# Allegro board trx_layout.brd (continued)
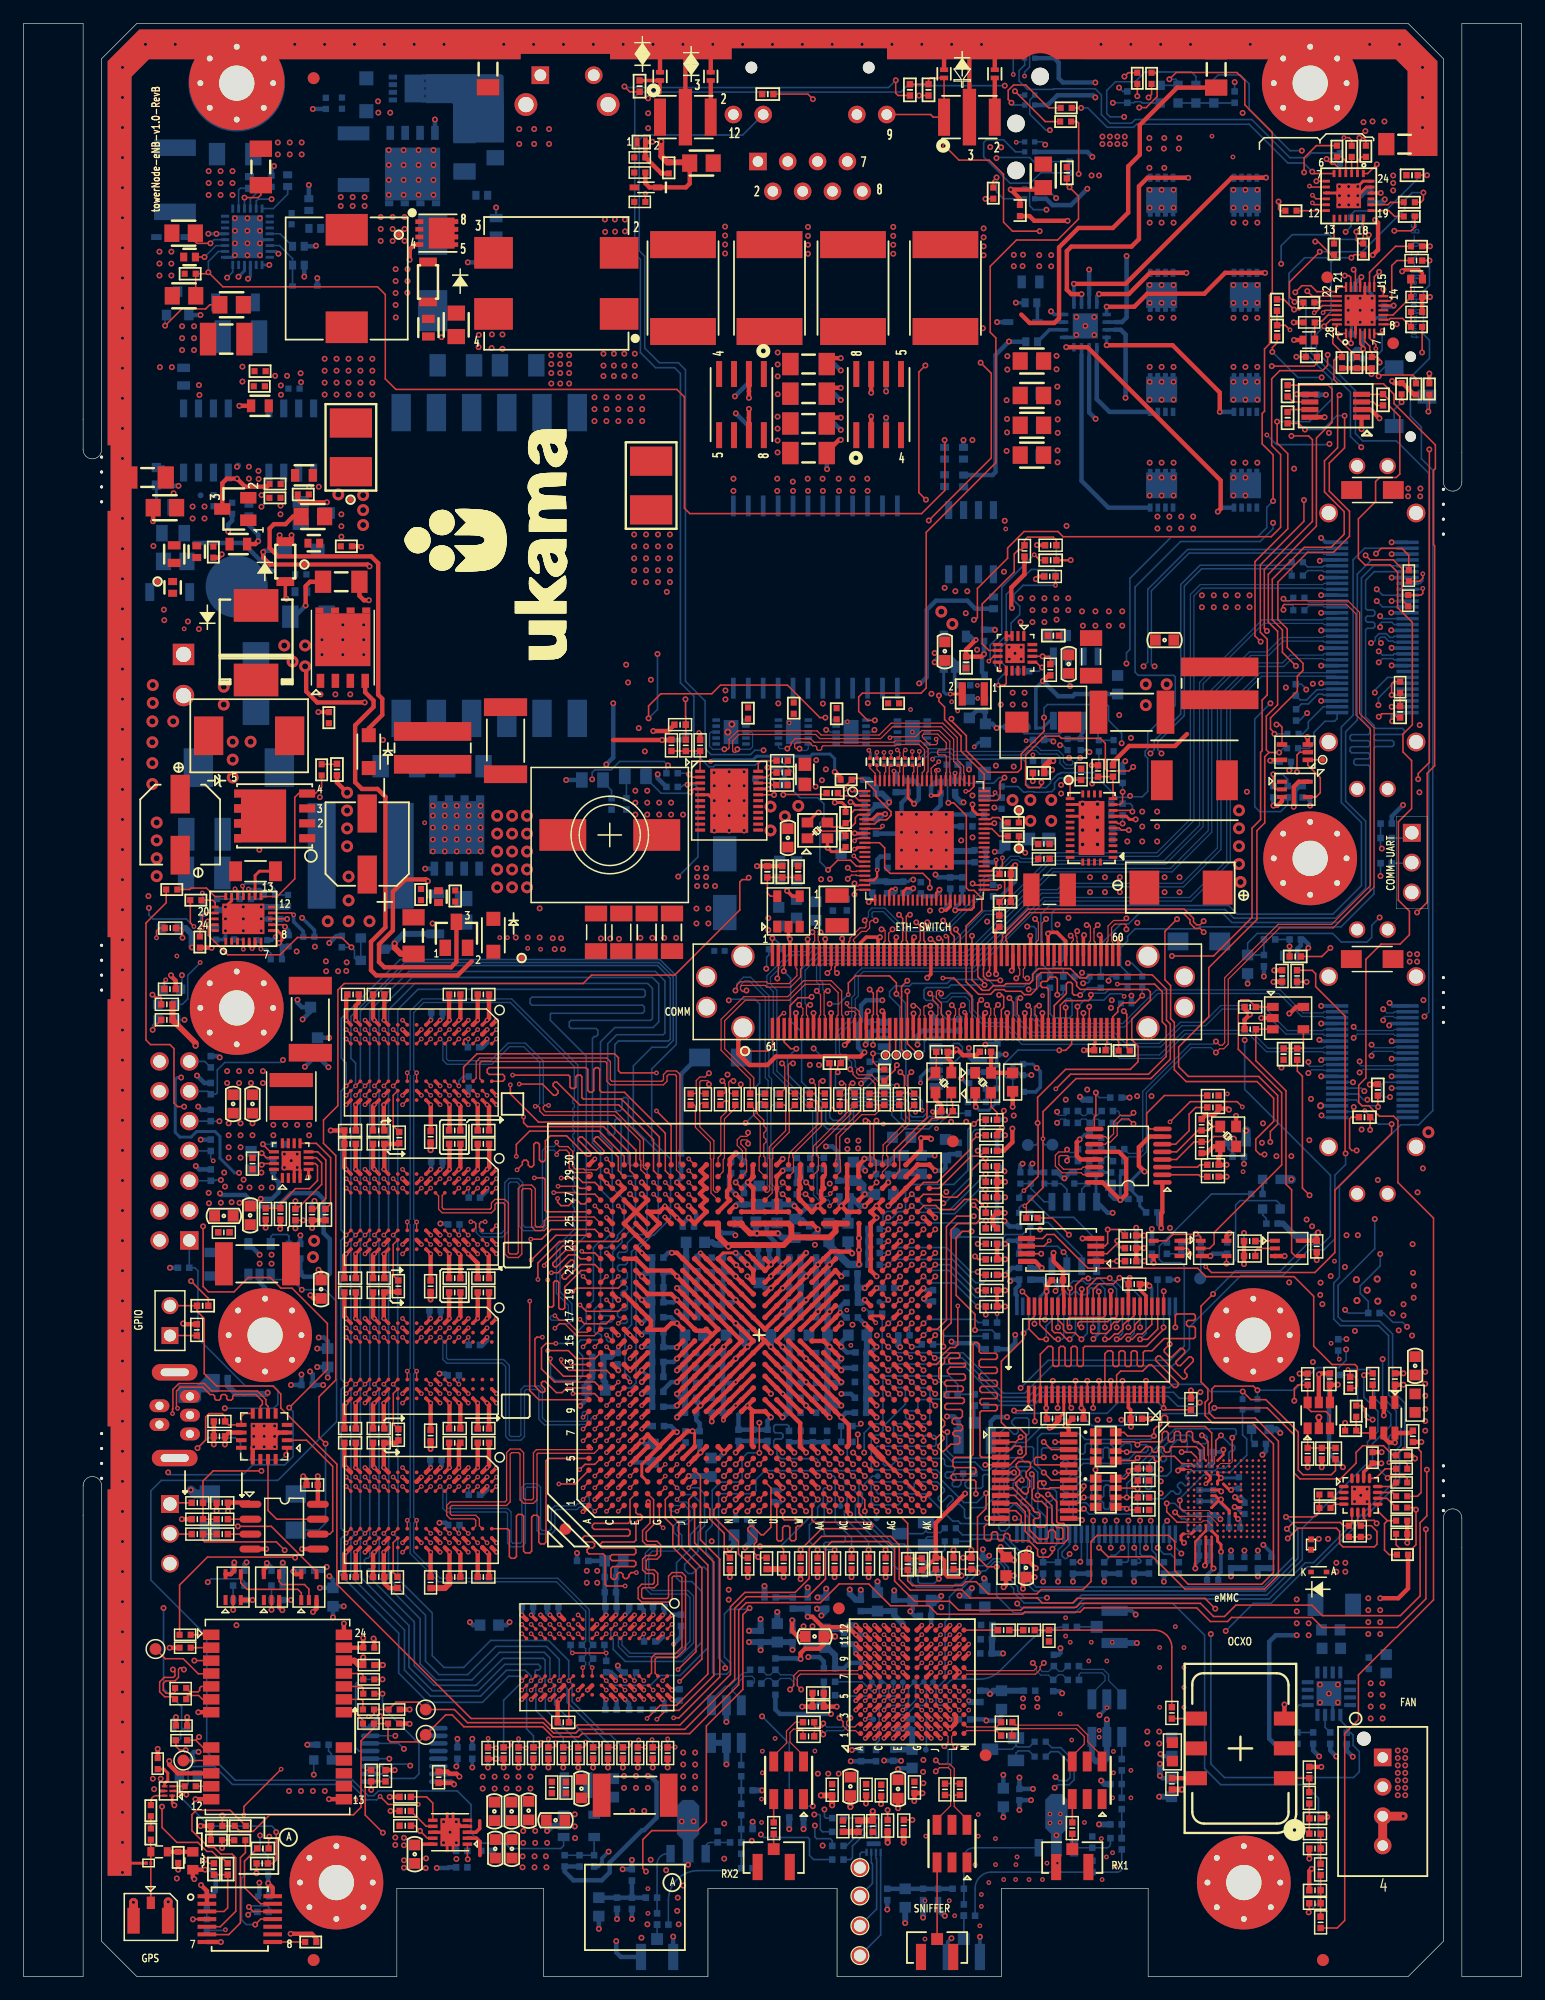
[diagram p0: board, top side]
## Nets (continued)
SATA_RXN1: J4.103 J16.25
SATA_RXP0: J4.86 J16.32
SATA_RXP1: J4.102 J16.26
SATA_TXN0: J4.90 J16.28
SATA_TXN1: J4.106 J16.22
SATA_TXP0: J4.89 J16.29
SATA_TXP1: J4.105 J16.23
SIO_SPI_CLK: J4.111 R312.1
SIO_SPI_CS#: J4.108 R311.1
SIO_SPI_MISO: J4.109 R310.1
SIO_SPI_MOSI: J4.110 R309.1
SOC_ETH_MDI0N: C608.2 J4.8
SOC_ETH_MDI0P: C610.2 J4.9
SOC_ETH_MDI1N: C611.2 J4.12
SOC_ETH_MDI1P: C614.2 J4.11
SOC_ETH_MDI2N: C615.2 J4.75
SOC_ETH_MDI2P: C609.2 J4.76
SOC_ETH_MDI3N: C612.2 J4.53
SOC_ETH_MDI3P: C613.2 J4.52
SOC_HDMI_DDSP_HPD: J4.30 J16.36
SOC_I2C2_SCL_1P8: J4.33 R484.2
SOC_I2C2_SDA_1P8: J4.32 R483.2
SOC_IO_2_1P8: J4.2 U59.3
SOC_IO_3_1P8: J4.62 U58.3
SOC_IO_5_1P8: J4.3 U59.4
SOC_IO_6_1P8: J4.61 TP51.1(PAD)
SOC_PLTRST_N_3V3: J4.64 R9.2
SOC_UART1_CTS: J4.83 J13.10 TP14.1(PAD)
SOC_UART1_RTS: J4.84 J13.11 TP15.1(PAD)
SOC_UART1_RX: J4.82 TP13.1(PAD)
SOC_UART1_TX: J4.81 TP12.1(PAD)
SPARE1: Q24.1 Q24.2 Q24.3(S3) Q26.5 Q26.6 Q26.7 Q26.8 R277.1 T2.7 U46.3
SPARE2: Q25.1 Q25.2 Q25.3(S3) Q27.5 Q27.6 Q27.7 Q27.8 R275.1 T2.4 U46.6
SPDT_CNTRL_MASK_GPS_UART: R229.1 R385.1
SYS_5V_PG: U33.4(Y) U34.2
SYS_DC_OK: R97.2 R380.1 U1.AD4 U34.4(Y)
SYS_RST_L: LED4.2 R2N1.1 R4.2 R41.2 R446.1 R447.1 R634.1 R677.2 U1.AH19 U16.4(Y) U64.14
T2P: R271.1 U45.5
TG12: Q22.4 U46.16
TG36: Q21.4 U46.1
TG45: Q24.4 U46.4
TG78: Q25.4 U46.5(TG78)
TP_GPO_0: TP47.1(PAD) U90.8
TP_GPO_1: TP49.1(PAD) U90.6
TP_GPO_2: TP50.1(PAD) U90.7
TP_GPO_3: TP48.1(PAD) U90.5
TX: J8.2 R183.1
TX1A: C442.2 U66.3
TX2A: C443.2 U67.3
UNNAMED_101_NPN_I2_B: Q32.1 Q32.3 R451.2
UNNAMED_101_NPN_I2_E: Q32.2(E) R467.2
UNNAMED_101_NPN_I19_B: Q31.1 Q31.3 R422.2
UNNAMED_101_NPN_I19_E: Q31.2(E) R423.2
USB3_RX0_N: J4.24 J13.15
USB3_RX0_P: J4.23 J13.14
USB3_TX0_N: J4.79 J13.21
USB3_TX0_P: J4.78 J13.20
USB_5V: C123.2 C129.2 R409.1 R411.1 U26.10 U31.8
USB_DN0: J4.27 J13.17
USB_DN1: J4.50
USB_DN2: J4.41 R3.1
USB_DP0: J4.26 J13.18
USB_DP1: J4.49
USB_DP2: J4.40 R2.1
USB_RXD: U26.2 U31.6(VOB)
USB_TXD: U26.15 U31.7
USB_XI: C62.1 U1.AG30 Y2.3
USB_XO: C79.1 U1.AG29 Y2.1
VAUX: U246.24
VBCKUP: C143.2 R185.1 U37.22(V_BCKP)
VDS_FREE: C50.2 C51.2 C207.2 D12.2 D13.1(K) L18.1 Q30.5 Q30.6 Q30.7 Q30.8 Q30.9 R99.2 T1.7 T1.8 T1.9
VDS_FWD: C198.2 C199.2 D21.1(K) Q11.5 Q11.6 Q11.7 Q11.8 Q11.9 R282.2 R287.1 T1.10 T1.11 T1.12
VDS_PRI: C185.1 C192.1 Q16.5 Q16.6 Q16.7 Q16.8 Q16.9 R255.1 T1.5
VGS_FREE: D21.2 Q29.2 Q30.4 R281.1 UNK02.1
VGS_FWD: D13.2 Q11.4 Q12.2 R299.1 UNK03.1
VHDMI_EN_N: J4.100 J16.40
VPORTN: C190.2(B[0]) L2.1 Q18.1 Q18.2 Q18.3(S3) Q19.1 Q19.2 Q19.3(S3) Q26.1 Q26.2 Q26.3(S3) Q27.1 Q27.2 Q27.3(S3) R47.2(B[0]) R49.2(B[0]) R274.2(B[0]) R276.2(B[0]) U46.9 U46.17
VPORTP: C190.1 D20.1 L2.2(4) Q21.5 Q21.6 Q21.7 Q21.8 Q22.5 Q22.6 Q22.7 Q22.8 Q24.5 Q24.6 Q24.7 Q24.8 Q25.5 Q25.6 Q25.7 Q25.8 R38.1 R42.1 R265.1 R267.2(B[0]) R269.1 R272.1 R278.2(B[0]) U46.12
XTAL_IN: C616.1 U243.5 Y4.3
XTAL_OUT: C617.1 U243.6(XTAL_OUT) Y4.1
N377045: C427.2 L37.1 U3.A8
N377347: C425.2 L35.1 U3.A7
N377425: C146.2 U3.M2
N377445: C426.2 L36.1 U3.M8
N377469: C422.2 L34.1 U3.M7
N377587: C140.2 U3.M12
N377631: C149.2 U3.M1
N377739: R445.1 U3.C5
N377759: R444.1 U3.C6
N377819: R235.2 U3.L4
N377823: C162.2 U3.K1
N377835: C161.2 U3.L1
N378105: R439.2 U3.J6
N378375: TP44.1(PAD) U3.E6
N378383: TP42.1(PAD) U3.E5
N378391: TP38.1(PAD) U3.E4
N378587: TP40.1(PAD) U3.D4
N378731: R465.1 U3.D5
N378743: R466.1 U3.D6
N379365: R472.1 U3.B5
N379519: R234.1 U3.L5
N379621: C140.1 R201.2
N395134: F1.1 J12.7
N395138: F8.1 T2.3 U48.1 U48.8(LNOUT2)
N395142: F9.1 T2.2 U48.4 U48.5
N395210: C3.2 D4.1 J12.12 R16.1 R714.2
N395242: C32.1 T2.15
N395246: C33.1 T2.24
N395250: C2.1 C13.2(B[0]) C15.2(B[0]) C16.2(B[0]) C18.2(B[0])
N395254: C13.1 R268.2(B[0])
N395258: C15.1 R273.2(B[0])
N395262: C18.1 R277.2(B[0])
N395266: C16.1 R275.2(B[0])
N395314: F6.2 J12.6
N395334: F7.1 T2.11 U47.4 U47.5
N395362: F6.1 T2.12 U47.1 U47.8(LNOUT2)
N395386: F7.2 J12.3
N395402: F2.1 J12.8
N395406: F4.1 J12.5
N395410: F3.1 T2.8 U36.1 U36.8(LNOUT2)
N395498: C3.1 D3.1 J12.11 R713.1 R715.2
N395506: C4.2 D2.1 J12.10 R19.1 R712.2
N395518: C4.1 D1.1 J12.9 R710.1 R711.2
N395776: R269.2(B[0]) U47.7
N395780: F1.2 T2.5 U9.4 U9.5
N395784: F2.2 T2.6 U9.1 U9.8(LNOUT2)
N395792: F4.2 T2.9 U36.4 U36.5
N395800: F8.2 J12.2
N395804: F9.2 J12.1
N395816: R276.1 U47.2
N395844: F3.2 J12.4
N397214: R272.2(B[0]) U48.7
N397226: R274.1 U48.2
N399906: D20.2 R265.2(B[0]) U46.11
N400318: R267.1 U46.10
N436789: C399.2 R438.1 U3.A11 U3.B11
N436822: C395.1 R438.2
N440605: R470.1 U3.B4
N440917: R471.1 U3.B6
N441229: R473.1 U3.B7
N450143: TP43.1(PAD) U3.F6
N450443: TP41.1(PAD) U3.F5
N450447: TP39.1(PAD) U3.F4
N470883: C172.1 R237.2
N470887: C171.1 R237.1 U3.G2 U3.G3
N497620: C149.1 U40.4
N497678: C146.1 U40.6(OUT2)
N506018: C161.1 U43.4
N506026: C162.1 U43.6(OUT2)
N538044: C422.1 U66.4
N538079: C426.1 U66.6(OUT2)
N541425: C425.1 U67.6(OUT2)
N541429: C427.1 U67.4
N635710: TP45.1(PAD) U3.B3
N685064: R469.2 U3.G5
N685410: TP46.1(PAD) U3.G4
N1145981: C34.1 T2.18
N1145996: C31.1 T2.21
N1148675: R38.2(B[0]) U9.7
N1148683: R49.1 U9.2
N1148871: R42.2(B[0]) U36.7
N1148879: R47.1 U36.2
N16777767: D7.1(CATHODE) L2.3 Q6.5 Q6.6 Q6.7 Q6.8 R35.1
N16778156: C189.1 L1.1 Q6.1 Q6.2 Q6.3(S3) U45.25 UNK01.1
N16853335: Q6.4 R258.1 U45.26
N16869121: C11.1 R35.2 U45.28(VPORT)
N16912256: R252.2 U45.10
N16949910: C63.1 L9.1 U12.4(VDD)
N16950256: R124.1 U12.3
N16950409: TP28.1(PAD) U1.AH17
N16950424: TP26.1(PAD) U1.AG18
N16950483: TP27.1(PAD) U1.AH18
N16950542: TP29.1(PAD) U1.AF16
N16958600: R330.1 U1.AK27
N16989975: Q16.1 Q16.2 Q16.3(S3) R248.1 R259.2
N17011792: C274.1 C278.1 C293.1 L26.1 U1.AA25 U1.AB25 U1.AC25 U1.L25 U1.M25 U1.R25 U1.T25 U1.U25 U1.V25
N17013104: C270.1 C271.1 L24.1 U1.N25 U1.P25 U1.W25 U1.Y25
N17041994: C262.1 C264.1 L23.1 U1.N26 U1.W26
N17127103: R343.2 U1.P28
N17127140: R344.2 U1.P27
N17127277: C64.2 U1.M27
N17127320: C65.2 U1.M28
N17127662: C67.1 U1.M29
N17127699: C66.1 U1.M30
N17247286: R233.1 U42.7
N17247308: C165.1 U42.6
N17255903: C456.1 R474.2 R475.1 U42.1
N17264878: R189.2 U1.L1
N17264907: R190.2 U1.M1
N17308586: R345.2 U1.AE28
N17347925: R431.1 U64.16(WP#/VPP)
N17347927: R390.1 U64.53
N17352153: R162.2 U22.1 U22.24
N17383137: TP31.1(PAD) U1.AF11
N17412446: R199.2 U1.AC4
N17420989: R127.2 U1.AK28
N17470232: C187.1 R259.1 U45.17
N17471634: C187.2 R256.1 U45.16
N17491181: Q23.1 U45.23
N17613979: TP25.1(PAD) U1.AF19
N17720354: C183.1 D16.2 Q14.4 R245.2
N17736851: C184.1 C185.2 Q14.5 Q14.6 Q14.7 Q14.8
N17769247: C184.2 R255.2
N17776032: C192.2 R270.1
N17967906: D17.1 L17.2 Q23.3
N18012236: R27.2 U45.4
N18015217: R29.2 U45.3
N18230147: C183.2 R262.1
N18580909: C14.2 R40.2 R44.1 U49.5
N18582872: E1.1(A) R279.1 U50.6
N18582891: R271.2 U50.1
N18585755: C24.1 LIP2.1 R55.1 R58.1
N18621423: C22.1 C24.2 C197.1 D8.1(REF) R55.2 R56.1
N18663045: C22.2 R280.2
N18723580: C14.1 R40.1 U45.13
N18787052: C21.2 Q28.2 R50.1 U49.1
N18823954: R51.2 R52.1 U49.2
N18984920: R250.2 U45.14
N19428436: R251.1 U45.12
N19433326: C7.2 U45.11
N19490275: C197.2 D8.2 R52.2 R280.1
N19519743: C23.2 Q28.3(COLLECTOR) R53.1 R54.2
N19520227: D9.1 Q28.1 R54.1
N19527484: D12.1(K) R53.2
N19637840: C207.1 R287.2
N19802595: Q23.2(EMITTER) R33.2
N19816570: R416.1 U1.AC5
N19916023: Q16.4 R263.1
N19921421: R262.2 U45.18
N20950733: R351.1 R352.2 U62.1
N20950750: R347.1 R348.2 U62.3
N20950752: R349.2 R350.1 U62.2
N20950802: R357.1 U62.5
N20950826: R364.1 U62.6
N21184356: J13.56 R483.1
N21184358: J13.57 R484.1
N21225912: J13.42 R285.1
N21225914: J13.41 R283.1
N21294021: J4.119 R308.1
N21294187: J4.1 R302.2
N21294708: J4.120 R5.1
N21294710: J4.118 R115.1
N21414742: R39.1 R43.2(B[0]) U21.10
N21414746: R45.2(B[0]) R48.1 U21.26
N21414756: R41.1 U21.23
N21414762: R46.2(B[0]) R683.1 U21.9
N21445296: J13.8 R57.2
N21445300: J13.9 R60.2
N21445467: J13.60 R486.2
N21445469: J13.59 R485.2
N22620877: R214.2 U35.L8(ZQ)
N22623748: R126.2 U11.L8(ZQ)
N22624855: R163.2 U23.L8(ZQ)
N22625970: R200.2 U30.L8(ZQ)
N22627093: R151.2 U15.L8(ZQ)
N22643259: R440.2 U35.D3
N22645297: R443.2 U35.E7
N22648611: R418.2 U30.D3
N22651614: R421.2 U30.E7
N22654933: R356.2 U15.D3
N22658266: R366.2 U15.E7
N22662338: R317.2 U11.D3
N22664619: R324.2 U11.E7
N22669063: R408.2 U23.E7
N22670170: R405.2 U23.D3
N22844512: C423.1 R441.2 R442.2
N26040487: J5.13 R318.2
N26040723: R391.2 U1.AH20
N27121622: LED9.1 R111.1
N27122589: LED7.1 R107.1
N27122595: LED8.1 R109.1
N27124153: R482.1 U1.AJ14
N27144602: C30.2 U4.9
N27144604: C202.2 L3.1 U4.10 U4.11 U4.12
N27144606: C27.1 R286.1 U4.7
N27144621: C201.1 R286.2
N27144623: C28.1 C29.1 L3.2 R61.2 R67.1
N27144635: C202.1 U4.13
N27144645: R61.1 R62.2 U4.6(VSENSE)
N27144685: R63.2 U4.8
N27144921: C94.2 U14.9
N27144923: C247.2 L10.1 U14.10 U14.11 U14.12
N27144925: C267.1 R137.1 U14.7
N27144937: C266.1 R137.2
N27144939: C76.1 C77.1 L10.2 R112.1 R135.2
N27144954: C247.1 U14.13
N27144964: R135.1 R136.2 U14.6(VSENSE)
N27144986: R138.2 U14.8
N27169203: C37.1 U7.18(VREG)
N27169238: R87.1 U7.20
N27169273: R73.1 U7.22
N27169308: R78.1 U7.21
N27171135: C214.1 R289.2
N27171149: R289.1 U7.4
N27171184: C214.2 C215.2 L8.1 R68.1 U7.6 U7.7 U7.8 U7.9 U7.10 U7.11
N27171634: C52.1 C53.1 C54.1 C55.1 C204.2 L8.2 R69.2 R71.1 R72.1
N27171650: C35.1 R69.1 R70.2 U7.1
N27171802: C35.2 C204.1 R68.2
N27174773: C215.1 R291.2
N27178741: R288.2 U7.2
N27215911: R435.2 R437.2 U33.2
N27215928: R110.1 U10.1 U16.2
N27216005: C276.1 R380.2 U18.2
N27216243: C397.1 R436.2 U32.2
N27216779: C211.1 R293.2 U6.2
N27430859: TP3.1(PAD) U5.1 U6.4(Y)
N27682040: R396.1 U1.AJ16
N27872645: J6.1 R154.1
N28291570: C91.1 U13.4 Y3.3
N28291594: C80.1 U13.5(X2) Y3.1
N28292228: C246.1 R331.2 R332.2
N28292234: C250.1 R334.2 R336.2
N28292240: C253.1 R338.2 R342.2
N28292242: R338.1 U13.14
N28292264: C245.1 R327.2 R328.2
N28292278: R336.1 U13.15
N28292560: R117.1 U13.9
N28293840: R331.1 U13.11
N28293868: R328.1 U13.10
N28294373: R132.2 U13.1
N28294754: R130.2 U13.2
N28294786: R128.2 U13.3
N28294818: R116.2 U13.8
N28294850: R122.2 U13.6
N28301963: R339.2 U1.Y28
N28302006: R354.2 U1.Y27
N28359985: R414.1 U1.AE2
N28499038: C235.1 R10.2 R300.2 U57.2
N28500759: R113.1 U10.3 U17.4(Y)
N37529531: R4.1 R6.1 U25.4
N37586365: C169.1 R232.1 R238.2
N37586373: C152.1 R232.2 U38.1(VG/NC)
N37586451: C154.1 C445.1 L13.1 U38.6
N37586583: R241.2 R242.1 U44.4
N37586587: C182.1 R239.1 R240.2 R242.2
N37586775: R241.1 U44.3(VSENSE)
N37637914: J17.1 R412.2 R413.2
N37650909: LED3.1 R97.1
N37651458: R146.1 U17.2
N37651465: R141.1 R372.1 U17.1
N37686439: C436.2 U65.7
N37686485: R448.1 R449.2 U65.9
N38213058: R378.1 TP24.1(TP)
N38345660: C71.2 U1.T27
N38345697: C70.2 U1.T28
N38345795: C68.1 U1.T29
N38345832: C69.1 U1.T30
N38717127: R108.2 U57.4(Y)
N38737759: R164.2 R165.2 R166.2 U24.1
N38786456: R9.1 U1.AK16
N38791044: R119.2 U1.Y29
N38791056: R118.2 U1.Y30
N38808629: R395.1 U1.AF14
N38819302: R399.1 U1.AH15
N39820283: R398.1 U1.AJ15
N40391553: C147.1 U39.4
N40391568: C150.1 U39.6(OUT2)
N40392181: C147.2 U3.A1
N40392244: C150.2 U3.A2
N40601616: R410.2 U1.AK12
N40936377: R631.2 U19.6
N40936405: R140.2 R370.2 U19.3
N40936407: R145.2 R379.2 U19.2
N40936492: R148.2 R384.2 U19.1
N41074281: C174.1 J10.1
N41087231: C465.1 C656.1 J19.1
N41087331: C442.1 C444.1 L42.1
N41087333: C451.1 C453.2 C655.2 L42.2
N41087348: C465.2 L45.1 U70.3(RFOUT/VCC)
N41087368: C453.1 R732.1 U70.1
N41087432: C458.2 C459.2 C461.1 L45.2 L46.1
N41087526: C466.2 L47.1 U71.3(RFOUT/VCC)
N41087528: C466.1 C658.1 J20.1
N41087548: C443.1 C447.1 L43.1
N41087557: C452.1 C454.2 C657.2 L43.2
N41087567: C454.1 R734.1 U71.1
N41087635: C462.2 C463.2 C464.1 L44.1 L47.2
N41094150: C173.1 J9.1
N41359438: LED6.1 R106.2
N42046315: R417.2 U1.AH9
N42252550: R2N1.2(B[0]) R2N2.2(B[0]) U29.K5
N42252590: C368.1 C370.1 U29.C2
N42378579: C132.1 R451.1 U28.6
N42378600: C131.1 R422.1 U28.5
N42378604: R176.2 U28.10
N42378613: C131.2 C132.2 R172.1 R177.1 R423.1 R467.1 U28.7
N42378655: R171.1 U28.12
N42378657: R169.1 U28.13
N42378741: R181.1 R719.1 U28.9
N42378749: R172.2(B[0]) U28.3
N42378768: R177.2(B[0]) U28.4
N42378865: R173.1 U28.11
N42383145: LED2.1 R95.1
N42438614: J13.27 R66.2
N42450862: R180.2 U31.2
N42450876: R184.2 U31.3
N42451043: J7.1(VBUS) R409.2
N42451093: C116.2 U26.1(VCCIO) U26.8 U26.9
N42452839: C157.1 C158.1 C159.1 C446.1 C455.1 L40.1 R231.1 R477.1
N42452847: C455.2 R476.2 R477.2 U69.5(VOUT/FB)
N42452875: L40.2 U69.3
N42452897: C96.1 C97.1 C268.1 C272.1 C284.1 L27.1 R149.1 R388.1
N42452899: C284.2 R375.2 R388.2 U63.5(VOUT/FB)
N42452941: L27.2 U63.3
N42578486: C175.1 CON1.1 D15.1 F5.2
N42578540: L16.2 U41.6
N42578542: C175.2 L16.1
N42578544: C151.2 C441.2 FB4.1 U41.2 U41.4(VDD)
N42578615: C180.1 F5.1 FB1.1
N42578696: R212.2 U37.18
N42578710: R209.2 U37.19
N42578712: R207.2 U37.20
N42578726: R205.2 U37.21
N42578764: R204.2 U37.2
N42578893: TP17.1(TP) U37.4
N42578957: D14.2(K) R185.2
N42578999: R206.1 U37.5
N42579001: R208.1 U37.6
N42579047: R215.1 R446.2 U37.8
N42579075: R202.1 U37.1
N42579110: C155.1 U41.3
N42579218: TP20.1(TP) U37.9
N42624203: C222.2 L7.1 U8.1 U8.2 U8.3 U8.4 U8.5
N42624207: C49.1 L7.2 R65.1 R75.2 U8.8
N42624232: R74.2 R75.1 U8.11
N42624335: C222.1 U8.6
N42624343: C220.2 U8.7(VCC)
N42624475: C209.2 U8.10
N42624491: R294.2 U8.9
N42679388: R319.2 U59.8
N42679435: R316.2 U58.8
N42693172: R229.2 R230.2 U68.1
N42694907: R121.2 U1.AF29
N42694909: R120.2 U1.AF30
N42710595: J3.1 R296.1
N42710598: J3.2 R298.1
N42788664: C199.1 R59.2
N42788670: C51.1 D26.1 Q12.1 R99.1 R299.2
N42788707: C198.1 D22.1 Q29.1 R281.2 R282.1
N42788721: C50.1 R104.2
N42795245: D24.A R90.2(B[0])
N43028949: J13.35 R2.2
N43028955: J13.36 R3.2
N43067466: R1.2 R8.1 U10.4(WDI)
N43154729: R481.2 U1.AJ13
N43208299: R628.2 U44.7
N43208302: R629.2 U44.6
N43208378: R630.2 U19.5
N43208587: R632.1 U21.24
N43208593: R633.1 U21.25
N43211621: C600.2 R545.2 R546.2 U83.5(VOUT/FB)
N43211663: L48.2 U83.3
N43242042: R622.2 U87.6
N43242052: R623.2 U87.5
N43242094: R624.1 R682.2 U87.4
N43270144: R621.1 SW10.2
N43275465: R634.2 R674.2 U242.18
N43315191: R635.2 U242.19
N43315200: R636.2 U242.20
N43315266: R637.1 U87.8
N43362872: R616.1 U87.12
N43362878: R627.1 U87.13
N43366572: R638.1 U1.AG15
N43380700: C608.1 U243.80
N43380720: C614.1 U243.82
N43380722: C611.1 U243.83
N43380724: C615.1 U243.86
N43380726: C609.1 U243.85
N43380728: C613.1 U243.87
N43380730: C612.1 U243.88
N43380823: C610.1 U243.79
N43385255: C637.2 R640.1 R641.1 U245.5(VOUT/FB)
N43385297: L50.2 U245.3
N43486484: C645.1 U246.4
N43486486: C646.1 U246.22(VREF)
N43486488: C647.1 U246.9
N43486622: R645.1 R646.2 U246.17
N43486628: R643.1 R644.2 U246.16
N43486642: R647.1 U246.11
N43486656: R648.1 R649.2 U246.7
N43486718: Q1.5 Q1.6 Q1.7 Q1.8 R650.1 U246.14
N43487761: R654.2 U246.19
N43487763: R651.2 U246.20
N43487767: R652.2 R653.2 U246.21
N43521988: R655.1 U248.4
N43521990: R656.2 R657.1 U248.5
N43539411: Q1.4 R716.2 U246.13
N43714392: R661.1 U1.AH14
N43715774: LED11.4 R662.2
N43715777: LED11.3 R663.2
N43715788: LED11.2 R664.2
N43715791: LED11.8 R665.2
N43715802: LED11.7 R667.2
N43715805: LED11.6 R666.2
N43715812: LED11.12 R668.2
N43715815: LED11.11 R670.2
N43715818: LED11.10 R669.2
N43715839: LED11.16 R671.2
N43715844: LED11.15 R672.2
N43715855: LED11.14(R4) R673.2
N43728304: R675.1 R676.1 U87.3
N43728448: R677.1 R678.1 U243.67
N43748365: R689.1 U250.7(WP)
N43748745: R690.1 R691.2 U250.5
N43748748: R688.1 R692.2 U250.6
N43750978: R697.2 R722.2 U243.65
N43750983: R698.2 R723.2 U243.64
N43767220: LED20.2 LED21.2 LED22.2 R708.1
N43798288: R664.1 U242.1
N43798293: R666.1 U242.2
N43798298: R669.1 U242.3
N43798303: R673.1 U242.4
N43798308: R662.1 U242.5
N43798313: R665.1 U242.6
N43798318: R668.1 U242.7
N43798323: R671.1 U242.8
N43798328: R663.1 U242.10
N43798333: R667.1 U242.11
N43798338: R670.1 U242.12
N43798343: R672.1 U242.13
N43812316: C6.2 D5.1 D6.A R18.2 R22.1 S1.2
N43976624: C653.1 R716.1
N43976789: C654.2 Q34.1 Q34.2 U246.23
N44031167: R679.1 U21.16
N44031277: R385.2 U21.13
N44032590: R720.1 R725.2 U1.AD2
N44032640: R721.1 R724.2 U1.AD1
N44179277: R727.2 TP53.1(PAD)
N44179298: R726.2 TP52.1(PAD)
N44179382: R726.1 U243.58
N44202770: R727.1 U243.60
N44214374: R278.1 U51.6
N44214398: R284.1 U51.1
N44214404: R729.1 U51.5
N44222448: R729.2 R730.1 R731.1
N44263609: C655.1 C656.2 R733.1
N44265674: C657.1 C658.2 R735.1
N373888061: LED5.2 R103.2
N375864650: R211.1 U38.4
N376509451: LED4.1 R101.1
N377864440: LED10.1 R114.1
N427909890: C188.1 R258.2
N4337991173: R639.2 U243.1
N4337991175: R660.1 U243.3
N4348646421: R642.2 U246.10

Pads without a net: J4 17 18; J5 12; J7 4; J13 23 26 PC3 PC4; J16 16 17 18 19 20 PC2 PC4; NOREF#7 1; NOREF#10 1; NOREF#12 1; NOREF#14 1; NOREF#16 1; NOREF#17 1; NOREF#18 1; SW1 1 4; U1 A14 A17 A18 A19 A23 AB1 AF9 AF10 AG9 AG10 AH10 AH24 AJ10 AJ17 AJ18 AJ23 AJ25 AK8 AK9 AK17 AK18 AK23 B12 B13 B17 B18 B19 B23 C21 C23 D21 D23; U3 A3 C3 G7 H11 M3 M11; U6 1; U8 12 13 14 15 27 28 29 30; U9 3 6; U11 J1 J9 L1 L9; U12 1; U15 J1 J9 L1 L9; U18 1; U21 11; U23 A2 A3 A7 B7 B8 C2 C3 C7 C8 D7 J1 J9 L1 L9; U26 4 5 11 12 14 16; U27 1; U28 1 2 15 16; U29 A1 A2 A7 A8 A9 A10 A11 A12 A13 A14 B1 B7 B8 B9 B10 B11 B12 B13 B14 C1 C3 C5 C7 C8 C9 C10 C11 C12 C13 C14 D1 D2 D3 D4 D12 D13 D14 E1 E2 E3 E5 E8 E9 E10 E12 E13 E14 F1 F2 F3 F10 F12 F13 F14 G1 G2 G3 G10 G12 G13 G14 H1 H2 H3 H5 H12 H13 H14 J1 J2 J3 J12 J13 J14 K1 K2 K3 K6 K7 K10 K12 K13 K14 L1 L2 L3 L12 L13 L14 M1 M2 M3 M7 M8 M9 M10 M11 M12 M13 M14 N1 N3 N6 N7 N8 N9 N10 N11 N12 N13 N14 P1 P2 P7 P8 P9 P10 P11 P12 P13 P14; U30 J1 J9 L1 L9; U32 1; U33 1; U35 J1 J9 L1 L9; U36 3 6; U37 14 15 16 17; U38 2 5; U45 15 22 27; U47 3 6; U48 3 6; U49 3 4 7 8; U50 3 4 7 8; U51 3 4 7 8; U52 4 5 6 7; U53 4 5 6 7; U54 4 5 6 7; U55 4 5 6 7; U57 1; U64 28 30; U65 8; U68 9 10 11 12 13 14; U87 9 10; U242 14 15 16 17; U243 2 14 15 24 25 27 28 30 31 32 33 34 35 37 38 40 41 42 43 50 51 52 53 54 55 56 57 62 63 68; U246 1 2 3

## Via types
v1: diameter 0.508, hole 0.254, TOP to BOTTOM, 2539 vias
v2: diameter 0.406, hole 0.203, TOP to BOTTOM, 946 vias
v3: diameter 1.016, hole 0.508, TOP to BOTTOM, 71 vias
v4: diameter 0.61, hole 0.305, TOP to BOTTOM, 17 vias

## Routing (per net, layer and track width the routed paths; a pad name or vN(x,y) marks a point on that pad's centre or on a via; arc(x,y) is an arc through that point)
1V3_TX1: length 16.7
  TOP w0.381: U3.M9 v2(80.52,27.51) ; U3.M10 v2(80.52,28.31)
  L4-PWR1 w0.381: v2(80.52,28.31) v2(80.52,27.51)
  L4-PWR1 w0.508: v1(88.48,24.11) 88.48,23.54 87.21,22.27 82.91,22.27 81.11,24.08 81.11,26.92 v2(80.52,27.51)
  BOTTOM w0.381: v1(88.48,24.11) 88.3,24.29 L36.2 ; L34.2 88.17,27.39 88.34,27.56 v1(88.34,27.96)
1V3_TX2: length 19.5
  TOP w0.381: U3.A10 v2(70.9,28.31) ; C141.1 68.18,28.29 67.8,27.91 66.58,27.91 66.2,27.53 v1(66.2,27.04) ; v1(69.28,22.98) C145.2 C144.2 ; U3.A9 v2(70.9,27.51)
  TOP w0.508: v1(69.14,28.96) C141.1
  BOTTOM w0.381: v1(66.2,27.04) 65.94,27.04 65.89,27.08 L35.2 ; v1(68.78,22.35) 64.43,22.35 64.05,22.74 L37.2
  BOTTOM w0.508: C415.1 v2(70.9,28.31) v2(70.9,27.51) ; v1(67.59,31.32) L30.2 68.38,31.17 67.97,30.76 v1(67.97,30.73)
1V5:
  vias: v1(59.97,76.79) v1(61.1,75.96) v3(24.66,61.25) v3(24.76,62.64)
1V8: length 25.5
  TOP w0.381: R194.1 v1(67.65,34) ; v1(63.67,44.61) 63.67,44.67 63.22,45.11 U1.T6 ; U1.P6 v1(60.67,44.61) ; v1(84.38,35.43) 84.1,35.71 83.74,35.71 ; v1(85.65,36.45) 85.39,36.2 C134.1 86.21,34.77 v1(86.23,34.77) ; U1.Y3 v1(67.67,41.61) ; U1.P1 v1(60.67,39.61) ; v1(64.67,40.61) U1.U2 ; 83.74,35.71 83.24,36.22 v1(83.24,36.58) ; 83.74,35.71 L12.2 ; v1(70.42,39.36) 70.19,39.57 U1.AC1 ; v1(67.67,44.61) U1.Y6 ; v1(65.67,44.61) U1.V6 ; R196.1 v1(70.54,34) ; v1(69.67,44.61) U1.AB6 ; R198.1 v1(73.44,34)
  BOTTOM w0.381: 62.17,45.6 60.9,45.6 C361.1 60.9,44.85 v1(60.67,44.61) ; 62.17,45.6 C360.1 ; 62.17,45.6 63.38,45.6 C359.1 63.38,44.9 v1(63.67,44.61) ; C373.1 64.45,40.39 v1(64.67,40.61) ; v1(65.67,44.61) 65.21,45.07 R415.1 C364.1 C363.1 ; C362.1 C363.1 ; C363.1 67.24,45.04 v1(67.67,44.61) ; C378.1 60.67,38.93 v1(60.67,39.61)
  BOTTOM w0.508: C380.1 60.53,36.8 v1(60.15,36.42)
  vias: v1(56.2,19.07) v1(56.2,18.05) v1(56.2,17.04) v1(56.2,16.02) v1(57.21,19.07) v1(57.21,18.05) v1(57.21,17.04) v1(57.21,16.02)
1V15: length 1.1
  BOTTOM w0.254: C635.1 81.38,105.09 v2(80.99,104.7)
  vias: v1(82.83,103.1) v1(84.35,103.02) v2(79.07,108.54) v2(79.58,107.76) v2(81.26,109.93) v2(81.28,108.83)
1V35: length 227.7
  TOP w0.254: U1.F5 52.67,43.62 52.67,42.61 U1.F3
  TOP w0.305: v2(37.09,61.53) U15.E9 ; U30.H2 v2(34.69,42.53) ; v2(32.29,62.33) U15.K8 ; v2(50.44,25.19) U35.G7 ; v2(53.64,23.59) 53.62,23.59 53.24,23.96 U35.C9 ; v2(37.09,74.23) U11.E9 ; U23.A8 v2(40.29,49.63) ; v2(54.44,29.98) U35.B2 ; U35.N1 v2(44.84,30.78) ; v2(39.49,67.93) U15.B2 ; v2(29.89,81.43) 30.29,81.03 U11.N1 ; U11.R1 28.69,81.03 v2(28.29,81.43) ; U23.N9 v2(29.89,48.83) ; U11.D2 v2(37.89,80.63) ; U30.D2 v2(37.89,42.53) ; v2(53.64,30.78) U35.C1 ; v2(39.49,55.23) U23.B2 ; v2(47.24,24.38) U35.K8 ; v2(37.89,61.53) U15.D9 ; U30.K8 v2(32.29,36.93) ; U1.J3 v1(56.67,42.61) ; U11.D9 v2(37.89,74.23) ; 38.89,10.31 38.89,10.31 38.89,11.48 38.59,11.78 U42.2 ; v2(32.29,55.23) U23.K2 ; U11.C9 v2(38.69,74.23) ; v2(34.69,61.53) U15.H9 ; U23.K8 v2(32.29,49.63) ; U11.G7 v2(35.49,75.83) ; U30.R1 28.69,42.93 v2(28.29,43.33) ; U11.K8 32.67,75.41 v2(32.29,75.03) ; v2(40.29,62.33) U15.A8 ; U15.N9 v2(29.89,61.53) ; v2(34.69,48.83) 34.29,49.23 U23.H9 ; v2(37.89,55.23) U23.D2 ; v2(38.69,56.03) U23.C1 ; U35.N9 v2(44.84,23.58) ; U23.G7 v2(35.49,50.43) ; U35.H2 v2(49.64,29.98) ; U11.N9 v2(29.89,74.23) ; v2(29.89,43.33) 30.29,42.93 U30.N1 ; U35.A8 v2(55.24,24.38) ; v2(29.89,68.73) 30.29,68.33 U15.N1 ; U23.N1 30.29,55.63 v2(29.89,56.03) ; U30.A8 v2(40.29,36.93) ; U35.H9 v2(49.64,23.59) ; v2(38.69,43.33) U30.C1 ; 36.26,55.99 v2(36.29,56.03) ; v2(39.49,42.53) U30.B2 ; U11.H9 v2(34.69,74.23) ; U35.D9 v2(52.84,23.59) ; v2(28.29,56.03) 28.69,55.63 U23.R1 ; v2(40.29,68.73) U15.A1 ; U35.A1 v2(55.24,30.78) ; U11.A8 v2(40.29,75.03) ; U23.C9 38.29,49.23 v2(38.69,48.83) ; v2(38.69,61.53) U15.C9 ; U30.F1 35.89,42.93 v2(36.29,43.33) ; U30.N9 v2(29.89,36.13) ; U35.F1 v2(51.24,30.78) ; v2(37.89,36.13) U30.D9 ; U35.E9 v2(52.04,23.59) ; U1.H5 v2(55.67,44.61) U1.J6 ; U35.K2 v2(47.24,29.98) ; U30.K2 v2(32.29,42.53) ; U23.A1 v2(40.29,56.03) ; v2(37.89,67.93) U15.D2 ; U30.A1 v2(40.29,43.33) ; v2(34.69,36.13) 34.29,36.53 U30.H9 ; U30.C9 38.29,36.53 v2(38.69,36.13) ; U15.R9 v2(28.29,61.53) ; U30.G7 v2(35.49,37.73) ; U23.D9 v2(37.89,48.83) ; U23.H2 v2(34.69,55.23) ; v2(52.84,29.98) U35.D2 ; U30.R9 v2(28.29,36.13) ; U35.R1 v2(43.24,30.78) ; U35.R9 v2(43.24,23.58) ; U30.E9 v2(37.09,36.13) ; U23.R9 v2(28.29,48.83) ; U23.E9 v2(37.09,48.83)
  TOP w0.381: v2(34.69,74.23) 34.69,72 C85.1 ; U1.D3 v2(50.67,41.61) ; C82.1 29.78,74.12 v2(29.89,74.23) ; v2(28.29,61.53) 28.29,59.47 C99.1 ; v1(52.67,59.61) U1.F20 U1.E21 ; U1.F18 v1(52.67,57.61) U1.E19 ; v2(28.29,48.83) 28.3,48.82 C117.1 ; U1.F15 v1(52.67,53.61) ; C138.1 38.69,36.12 v2(38.69,36.13) ; C58.1 28.55,82.92 28.29,82.66 v2(28.29,81.43) ; v2(37.89,61.53) 38.69,60.72 C102.1 ; U1.F28 v1(52.67,67.61) ; v2(36.29,43.33) 36.26,43.36 C126.1 ; U1.E12 U1.F13 v1(52.67,51.61) ; v2(28.29,43.33) 28.3,43.34 C124.1 ; C105.1 34.68,61.52 v2(34.69,61.53) ; U1.C6 v2(49.67,44.61) ; v2(37.09,61.53) 37.22,61.4 C101.1 ; C89.1 36.29,70.86 v2(36.29,68.73) 35.89,68.33 U15.F1 ; C136.1 29.78,36.02 v2(29.89,36.13) ; v2(28.29,56.03) 28.3,56.04 C107.1 ; v2(51.67,46.61) U1.E8 ; v2(34.69,48.83) 34.68,48.82 C121.1 ; v2(29.89,61.53) 29.78,61.42 C100.1 ; C109.1 36.26,55.99 U23.F1 ; v2(28.29,36.13) 28.3,36.12 C135.1 ; U1.C19 v1(50.67,57.61) ; C61.1 38.69,83.62 v2(38.69,81.43) U11.C1 ; U1.F11 v1(52.67,49.61) ; U1.F9 v2(52.67,47.61) ; v2(29.89,48.83) 29.78,48.72 C118.1 ; U11.R9 v2(28.29,74.23) 28.3,74.22 C81.1 ; U1.C16 v2(50.67,54.61) ; C108.1 29.78,56.14 v2(29.89,56.03) ; C110.1 38.69,56.03 v2(38.69,56.03) ; C127.1 38.69,43.33 v2(38.69,43.33) ; U1.E23 U1.F22 52.68,61.6 v2(52.68,61.6) ; U1.J25 v2(55.67,64.61) U1.H26 55.13,65.11 v2(54.64,65.61) 54.64,65.58 U1.G26 U1.F26 U1.G25 U1.F24 U1.E25 ; v2(51.67,44.61) U1.E6 U1.F7 U1.G6 ; U15.R1 28.69,68.33 v2(28.29,68.73) 28.29,70.88 C87.1 ; U1.G6 54.17,45.17 55.37,46.36 v1(55.66,46.36) ; U1.G6 U1.F5 ; v2(38.69,74.23) 38.69,72.04 C84.1 ; v2(29.89,68.73) 29.78,68.84 C88.1 ; U11.K2 v2(32.29,80.63) ; v1(50.67,67.61) U1.D28 U1.C27 ; U11.F1 35.89,81.03 v2(36.29,81.43) 36.26,81.46 C60.1 ; v1(55.67,67.61) U1.J28 ; C83.1 37.22,74.1 v2(37.09,74.23) ; C106.1 25.35,59.95 v1(25.13,60.18) ; v2(37.09,36.13) 37.22,36 C137.1 ; C59.1 29.78,81.54 v2(29.89,81.43) ; U15.H2 v2(34.69,67.93) ; U15.G7 v2(35.49,63.13) ; U1.E17 v2(52.67,55.61) ; U1.C25 v2(49.67,64.61) ; v2(49.67,47.61) U1.C9 ; U11.H2 v2(34.69,80.63) ; v1(56.67,65.61) U1.K26 ; U1.C4 v2(49.67,42.61) ; C119.1 37.22,48.7 v2(37.09,48.83) ; v2(38.69,48.83) 38.69,48.82 C120.1 ; U15.C1 38.69,68.73 v2(38.69,68.73) 38.69,68.73 C90.1 ; U1.E14 v2(51.67,52.61) ; v2(32.29,67.93) U15.K2 ; v2(49.67,61.61) U1.C22 ; C139.1 34.68,36.12 v2(34.69,36.13) ; v2(51.67,48.61) U1.E10 ; v2(29.89,43.33) 29.78,43.44 C125.1 ; v1(50.67,51.61) U1.C13 ; U1.E16 v2(52.67,54.61) ; v2(56.67,43.61) U1.K5 U1.L6 ; U11.B2 v2(39.49,80.63) ; R189.1 v1(60.18,34) ; U11.A1 v2(40.29,81.43)